# Altium PCB STM32F429IGT6.PcbDoc (part 6 of 6)
Units mil, origin at the board's own origin, x right, y up, seen from the top; angles counter-clockwise.
Board outline 3765 x 2155 mil, 2 copper layers (Top Layer, Bottom Layer); 135 components, 194 nets, 727 pads, 429 vias.
Unrouted connection lines stored in the file: 1.
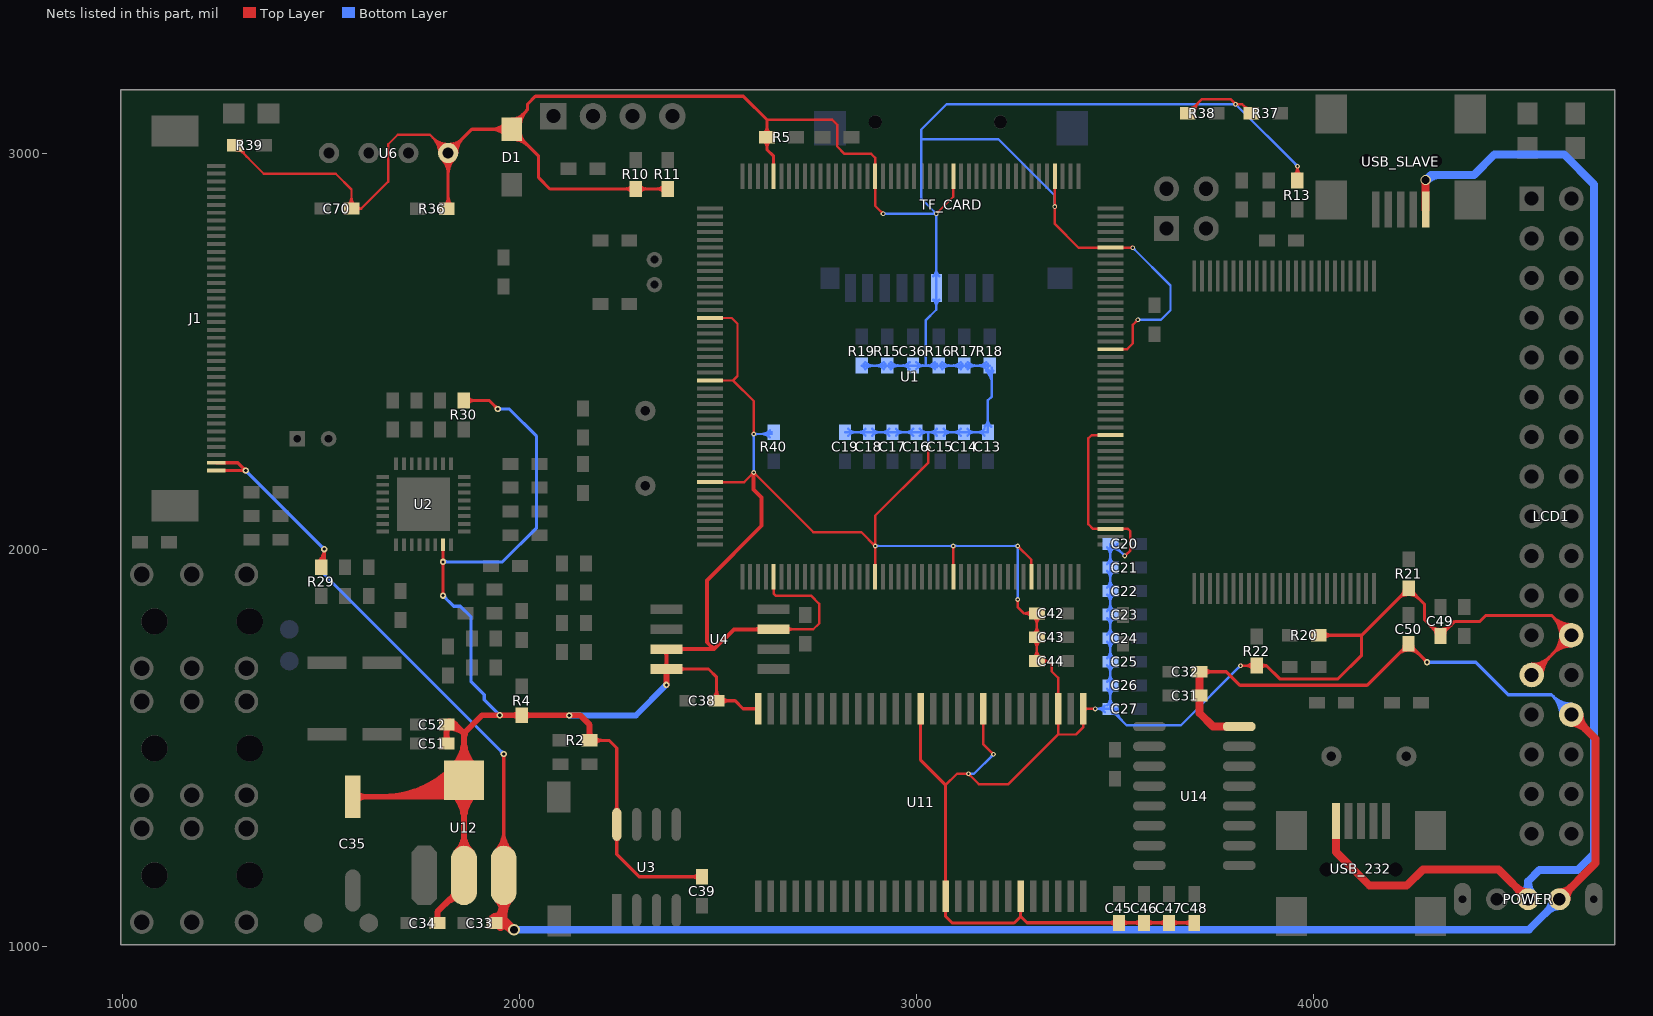
[diagram p6: the nets of this part, all layers, seen from the top]

## Via types
v1: diameter 12, hole 6, Top Layer to Bottom Layer, 405 vias
v2: diameter 16, hole 8, Top Layer to Bottom Layer, 10 vias
v3: diameter 27.56, hole 15.75, Top Layer to Bottom Layer, 9 vias
v4: diameter 16, hole 10, Top Layer to Bottom Layer, 2 vias
v5: diameter 14, hole 8, Top Layer to Bottom Layer, 1 vias
v6: diameter 30, hole 20, Top Layer to Bottom Layer, 1 vias
v7: diameter 26, hole 20, Top Layer to Bottom Layer, 1 vias

## Nets (pads, with @x,y where several pads share a name; then routed paths per layer and width w, separated by ;. In a path a pad name is that pad's centre, name@x,y a point inside that pad or via, vN(x,y) a via of type N, cw(c..) or ccw(c..) an arc to the next point about the centre after c; other vN are vias at no path point) (continued)
VCC3.3: C13.2 C14.2 C15.2 C16.2 C17.2 C18.2 C19.2 C20.2 C21.2 C22.2 C23.2 C24.2 C25.2 C26.2 C27.2 C34.2 C35.1 C36.1 C38.1 C39.1 C42.2 C43.2 C44.2 C45.2 C46.2 C47.2 C48.2 C49.1 C51.1 C52.1 C70.2 D1.1 LCD1.24 LCD1.25 R2.1 R4.2 R5.2 R10.2 R11.2 R13.2 R15.2 R16.2 R17.2 R18.2 R19.2 R20.2 R21.2 R22.1 R30.1 R36.1 R37.2 R38.2 R39.2 R40.2 TF_CARD.4 U1.15 U1.23 U1.36 U1.49 U1.62 U1.72 U1.82 U1.91 U1.103 U1.114 U1.127 U1.136 U1.149 U1.159 U1.172 U2.31 U3.8 U4.3 U4.7 U4.8 U6.1 U11.1 U11.3 U11.9 U11.14 U11.27 U11.43 U11.49 U12.2 U12.4 | length 27416.9
  Top Layer w6: R39.2@1283.5,3020 1355.5,2948 1537,2948 1576.5,2908.5 C70.2@1576.5,2860 1601,2860 ; R39.2@1287.75,3007.25 cw(c1287.75,2986.74) 1302.26,3001.24 ; R39.2@1294.5,3020 ccw(c1321.06,3020) 1302.28,3001.22 ; R39.2@1300.5,3020 ccw(c1341.54,3020) 1312.52,2990.98 ; C70.2@1568.01,2868.49 ccw(c1547.53,2888.97) 1576.5,2888.97 ccw(c1605.47,2888.97) C70.2@1584.99,2868.49 ; C70.2@1592.21,2854.59 cw(c1601,2850.16) 1601,2860 ; C70.2@1592.21,2865.41 ccw(c1601,2869.84) 1601,2860 ; U6.1@1797.41,3000 ccw(c1742.87,3000) 1781.44,3038.56 ccw(c1820,3077.13) U6.1@1820,3022.59 ; U6.1@1803.41,3000 ccw(c1763.36,3000) 1791.68,3028.32 ccw(c1820,3056.64) U6.1@1820,3016.59 ; U6.1@1820,3000 1774,3046 1693,3046 1669,3022 1669,2928 1601,2860 ; U1.36@2480,2171.02 2566.02,2171.02 v1(2590,2195) 2740,2045 2860.96,2045 v1(2895.96,2010) ; U1.23@2480,2426.93 2537.93,2426.93 ; U1.15@2480,2584.41 2534.59,2584.41 2549,2570 2549,2438 2537.93,2426.93 ; v1@2587,2195 cw(c2579.76,2195) 2584.88,2189.88 cw(c2590,2184.76) 2590,2192 cw(c2590,2184.76) 2595.12,2189.88 cw(c2600.24,2195) v1@2593,2195 ; v1@2587.88,2294.12 ccw(c2582.76,2299.24) 2590,2299.24 ccw(c2597.24,2299.24) v1@2592.12,2294.12 ; v1(2590,2292) 2590,2374.86 2537.93,2426.93 ; 2623.5,3083.5 2788.5,3083.5 2800,3072 2800,3017 2819,2998 2886,2998 2895.96,2988.04 U1.159@2895.96,2941.32 2895.96,2867.04 v1(2915.92,2847.08) ; U4.3@2640,1800.06 2740.06,1800.06 2755,1815 2755,1864 2734,1885 2645,1885 2640.06,1889.94 U1.49@2640.06,1932.22 ; U4.3@2674.36,1793.7 cw(c2689.73,1778.34) 2689.73,1800.06 cw(c2689.73,1821.79) U4.3@2674.36,1806.43 ; v1@2892.96,2010 ccw(c2885.72,2010) 2890.84,2015.12 ccw(c2895.96,2020.24) v1@2895.96,2013 ; v1@2893.84,2007.88 cw(c2888.72,2002.76) 2895.96,2002.76 cw(c2903.21,2002.76) v1@2898.09,2007.88 ; v1@2893.84,2012.12 ccw(c2888.72,2017.24) 2895.96,2017.24 ccw(c2903.21,2017.24) v1@2898.09,2012.12 ; U1.62@2895.96,1932.22 v1(2895.96,2010) ; v1@2912.92,2847.08 ccw(c2905.68,2847.08) 2910.8,2852.2 ccw(c2915.92,2857.32) v1@2915.92,2850.08 ; v1@3027.88,2255.88 cw(c3022.76,2250.76) 3030,2250.76 cw(c3037.24,2250.76) v1@3032.12,2255.88 ; v1(3030,2258) 3030,2220 2895.96,2085.96 v1(2895.96,2010) ; v1(3050.08,2847.08) 3092.82,2889.82 U1.149@3092.82,2941.32 ; v1@3050.08,2850.08 ccw(c3050.08,2857.32) 3055.2,2852.2 ccw(c3060.32,2847.08) v1@3053.08,2847.08 ; 3073.54,1407.46 3102.08,1436 v1(3131,1436) 3157,1410 3232,1410 3357.01,1535.01 ; v1@3090.69,2007.69 cw(c3085.57,2002.57) 3092.82,2002.57 cw(c3100.06,2002.57) v1@3094.94,2007.69 ; U1.72@3092.82,1932.22 v1(3092.82,2009.82) ; v1@3128.88,1433.88 ccw(c3123.76,1428.76) 3123.76,1436 ccw(c3123.76,1443.24) v1@3128.88,1438.12 ; v1@3131,1433 cw(c3131,1425.76) 3136.12,1430.88 cw(c3141.24,1436) v1@3134,1436 ; U11.9@3164.59,1565.06 cw(c3156.27,1556.74) 3168.03,1556.74 cw(c3179.8,1556.74) U11.9@3171.48,1565.06 ; U11.9@3168.03,1600 3168.03,1510.97 v1(3194,1485) ; v1@3191,1485 ccw(c3183.76,1485) 3188.88,1490.12 ccw(c3194,1495.24) v1@3194,1488 ; v1@3252.88,1872.88 cw(c3247.76,1867.76) 3255,1867.76 cw(c3262.24,1867.76) v1@3257.12,1872.88 ; v1(3255,1875) 3255,1856 3271,1840 ; v1@3255,2007 cw(c3255,1999.76) 3260.12,2004.88 cw(c3265.24,2010) v1@3258,2010 ; v1(3255,2010) 3289.67,1975.33 U1.82@3289.67,1932.22 ; C42.2@3289.7,1831.84 ccw(c3271,1814.49) 3271,1840 ; C42.2@3289.7,1848.16 cw(c3271,1865.51) 3271,1840 ; C44.2@3295.01,1728.49 ccw(c3274.53,1748.97) 3303.5,1748.97 ccw(c3332.47,1748.97) C44.2@3311.99,1728.49 ; C43.2@3295.01,1771.51 cw(c3274.53,1751.03) 3303.5,1751.03 cw(c3332.47,1751.03) C43.2@3311.99,1771.51 ; C43.2@3295.01,1788.49 ccw(c3274.53,1808.97) 3303.5,1808.97 ccw(c3332.47,1808.97) C43.2@3311.99,1788.49 ; C42.2@3295.01,1831.51 cw(c3274.53,1811.03) 3303.5,1811.03 cw(c3332.47,1811.03) C42.2@3311.99,1831.51 ; C44.2@3318.22,1712.96 cw(c3332,1702.99) 3332,1720 ; C44.2@3318.22,1727.04 ccw(c3332,1737.01) 3332,1720 ; v1@3346.6,2862.88 cw(c3341.48,2857.76) 3348.72,2857.76 cw(c3355.96,2857.76) v1@3350.84,2862.88 ; v1@3346.6,2867.12 ccw(c3341.48,2872.24) 3348.72,2872.24 ccw(c3355.96,2872.24) v1@3350.84,2867.12 ; U1.136@3348.72,2941.32 v1(3348.72,2865) 3348.72,2821.28 3408.43,2761.57 U1.127@3489.09,2761.57 v1(3545,2761.57) ; U11.3@3353.56,1565.06 cw(c3345.24,1556.74) 3357.01,1556.74 cw(c3368.77,1556.74) U11.3@3360.45,1565.06 ; U11.3@3353.56,1634.94 ccw(c3345.24,1643.26) 3357.01,1643.26 ccw(c3368.77,1643.26) U11.3@3360.45,1634.94 ; U11.1@3416.55,1565.06 cw(c3408.23,1556.74) 3420,1556.74 cw(c3431.77,1556.74) U11.1@3423.45,1565.06 ; U11.1@3420,1600 3420,1553 3402.01,1535.01 3357.01,1535.01 ; U11.1@3420.5,1599.5 v1(3450.5,1599.5) ; U11.1@3423.45,1596.55 cw(c3430.56,1589.44) 3430.56,1599.5 ; U11.1@3423.45,1603.45 ccw(c3432.97,1612.97) 3432.97,1599.5 ; v1@3448.38,1597.38 ccw(c3443.26,1592.26) 3443.26,1599.5 ccw(c3443.26,1606.74) v1@3448.38,1601.62 ; U1.103@3489.09,2289.13 3441.13,2289.13 3433,2281 3433,2065 3445.09,2052.91 U1.91@3489.09,2052.91 3533.09,2052.91 3539,2047 3539,1999 v1(3525,1985) ; U1.114@3489.09,2505.67 3530.67,2505.67 3545,2520 3545,2567 v1(3558,2580) ; v1@3525,1988 ccw(c3525,1995.24) 3530.12,1990.12 ccw(c3535.24,1985) v1@3528,1985 ; v1@3542.88,2759.45 ccw(c3537.76,2754.33) 3537.76,2761.57 ccw(c3537.76,2768.82) v1@3542.88,2763.7 ; v1@3555,2580 cw(c3547.76,2580) 3552.88,2574.88 cw(c3558,2569.76) v1@3558,2577 ; R38.2@3683.5,3100 3719.5,3136 3791,3136 v1(3804,3123) 3820.5,3123 R37.2@3843.5,3100 ; R38.2@3687.75,3112.75 ccw(c3687.75,3133.26) 3702.26,3118.76 ; R38.2@3694.5,3100 cw(c3721.06,3100) 3702.28,3118.78 ; R38.2@3700.5,3100 cw(c3741.54,3100) 3712.52,3129.02 ; v1@3801,3123 ccw(c3793.76,3123) 3798.88,3128.12 ccw(c3804,3133.24) v1@3804,3126 ; v1@3806.12,3120.88 cw(c3811.24,3115.76) 3811.24,3123 cw(c3811.24,3130.24) v1@3806.12,3125.12 ; v1(3816.5,1708.5) R22.1@3857,1708.5 ; v1@3818.62,1706.38 cw(c3823.74,1701.26) 3823.74,1708.5 cw(c3823.74,1715.74) v1@3818.62,1710.62 ; 3824.74,3118.76 ccw(c3839.25,3133.26) R37.2@3839.25,3112.75 ; 3827.13,3116.37 cw(c3813.76,3102.99) R37.2@3832.55,3100.79 ; R22.1@3847.99,1699.49 ccw(c3826.22,1677.72) 3826.22,1708.5 ccw(c3826.22,1739.28) R22.1@3847.99,1717.51 ; R22.1@3852.23,1703.73 ccw(c3840.71,1692.21) 3840.71,1708.5 ccw(c3840.71,1724.79) R22.1@3852.23,1713.27 ; R13.2@3950.99,2943.77 ccw(c3929.22,2965.53) 3960,2965.53 ccw(c3990.78,2965.53) R13.2@3969.01,2943.77 ; R13.2@3955.23,2939.52 ccw(c3943.71,2951.04) 3960,2951.04 ccw(c3976.29,2951.04) R13.2@3964.77,2939.52 ; v1@3957.88,2964.88 cw(c3952.76,2959.76) 3960,2959.76 cw(c3967.24,2959.76) v1@3962.12,2964.88 ; R13.2@3960,2930.5 v1(3960,2967) ; 3271,1840 C42.2@3303.5,1840 C44.2@3303.5,1720 3332,1720 ; 3332,1720 3341,1711 3341,1694 3357.01,1677.99 U11.3@3357.01,1600 3357.01,1535.01
  Top Layer w8: v2@1804.38,1887.83 ccw(c1797.56,1894.66) 1807.21,1894.66 ccw(c1816.87,1894.66) v2@1810.04,1887.83 ; v2@1804.38,1967.17 cw(c1797.56,1960.34) 1807.21,1960.34 cw(c1816.87,1960.34) v2@1810.04,1967.17 ; v2@1804.38,1972.83 ccw(c1797.56,1979.66) 1807.21,1979.66 ccw(c1816.87,1979.66) v2@1810.04,1972.83 ; U6.1@1804.73,2984.73 cw(c1767.88,2947.88) 1820,2947.88 cw(c1872.12,2947.88) U6.1@1835.27,2984.73 ; v2(1807.21,1885) v2(1807.21,1970) U2.31@1807.21,2012.59 ; U6.1@1810.39,2990.39 cw(c1787.19,2967.19) 1820,2967.19 cw(c1852.81,2967.19) U6.1@1829.61,2990.39 ; R36.1@1812.44,2868.31 ccw(c1794.21,2886.55) 1820,2886.55 ; R36.1@1816.5,2860 1820,2863.5 U6.1@1820,3000 1880,3060 D1.1@1980,3060 ; 1820,2890.18 ccw(c1850.93,2890.18) R36.1@1829.06,2868.31 ; U6.1@1820,3013.59 ccw(c1820,3046.4) 1843.2,3023.2 ccw(c1866.4,3000) U6.1@1833.59,3000 ; U6.1@1820,3021.59 ccw(c1820,3073.71) 1856.86,3036.86 ccw(c1893.71,3000) U6.1@1841.59,3000 ; R30.1@1860,2376.5 1923.5,2376.5 v2(1945,2355) ; R30.1@1868.31,2368.19 cw(c1888.36,2348.14) 1888.36,2376.5 cw(c1888.36,2404.86) R30.1@1868.31,2384.81 ; v2@1941,2355 ccw(c1931.34,2355) 1938.17,2361.83 ccw(c1945,2368.66) v2@1945,2359 ; D1.1@1964.73,3044.73 ccw(c1927.88,3007.88) 1927.88,3060 ccw(c1927.88,3112.12) D1.1@1964.73,3075.27 ; D1.1@1970.39,3050.39 ccw(c1947.19,3027.19) 1947.19,3060 ccw(c1947.19,3092.81) D1.1@1970.39,3069.61 ; D1.1@1980,3034.47 cw(c1980,2972.84) 2023.58,3016.42 ; D1.1@1980,3042.47 cw(c1980,3000.16) 2009.92,3030.08 ; D1.1@1980,3085.53 ccw(c1980,3125.26) 2008.09,3097.16 ; D1.1@1993.59,3056.06 ccw(c2016.9,3056.06) D1.1@2000.42,3039.58 ; D1.1@1993.59,3064.05 cw(c2037.66,3064.41) 2006.5,3095.57 ; D1.1@2001.59,3056.06 ccw(c2044.21,3056.06) 2014.07,3025.93 ; D1.1@2001.59,3064.11 cw(c2064.44,3064.62) 2020,3109.07 ; v2(2125,1583) v2@2125,1583.5 ; R2.1@2176.5,1520 2226,1520 2245,1501 U3.8@2245,1308.27 2245,1233 2301.5,1176.5 C39.1@2460,1176.5 ; R2.1@2189.06,1511.69 cw(c2209.11,1491.64) 2209.11,1520 cw(c2209.11,1548.36) R2.1@2189.06,1528.31 ; U3.8@2239.48,1273.22 cw(c2226.14,1259.88) 2245,1259.88 cw(c2263.86,1259.88) U3.8@2250.52,1273.22 ; U3.8@2239.48,1343.32 ccw(c2226.14,1356.65) 2245,1356.65 ccw(c2263.86,1356.65) U3.8@2250.52,1343.32 ; R10.2@2284.69,2901.19 ccw(c2264.64,2881.14) 2264.64,2909.5 ccw(c2264.64,2937.86) R10.2@2284.69,2917.81 ; R10.2@2301.31,2901.19 cw(c2321.36,2881.14) 2321.36,2909.5 cw(c2321.36,2937.86) R10.2@2301.31,2917.81 ; R11.2@2364.69,2901.19 ccw(c2344.64,2881.14) 2344.64,2909.5 ccw(c2344.64,2937.86) R11.2@2364.69,2917.81 ; U4.8@2370,1700 2476,1700 2496.5,1679.5 C38.1@2496.5,1620 2543,1620 2563,1600 U11.27@2601.1,1600 ; R11.2@2373,2909.5 R10.2@2293,2909.5 2076.5,2909.5 2048,2938 2048,2992 D1.1@1980,3060 ; U4.8@2403.66,1694.34 cw(c2417.31,1680.69) 2417.31,1700 cw(c2417.31,1719.31) U4.8@2403.66,1705.66 ; C39.1@2452.22,1168.72 ccw(c2433.44,1149.94) 2433.44,1176.5 ccw(c2433.44,1203.06) C39.1@2452.22,1184.28 ; C38.1@2488.72,1627.78 ccw(c2469.94,1646.56) 2496.5,1646.56 ccw(c2523.06,1646.56) C38.1@2504.28,1627.78 ; C38.1@2509.28,1612.22 cw(c2528.06,1593.44) 2528.06,1620 cw(c2528.06,1646.56) C38.1@2509.28,1627.78 ; U11.27@2598.36,1597.26 ccw(c2591.75,1590.65) 2591.75,1600 ccw(c2591.75,1609.35) U11.27@2598.36,1602.74 ; R5.2@2615.19,3031.69 cw(c2595.14,3011.64) 2623.5,3011.64 cw(c2651.86,3011.64) R5.2@2631.81,3031.69 ; R5.2@2615.19,3048.31 ccw(c2595.14,3068.36) 2623.5,3068.36 ccw(c2651.86,3068.36) R5.2@2631.81,3048.31 ; U1.172@2640.06,2941.32 2640.06,2991.94 2623.5,3008.5 R5.2@2623.5,3040 2623.5,3083.5 2564,3143 2040,3143 2020,3123 2020,3109.07 ; U11.14@3007.81,1565.76 cw(c3001.2,1559.15) 3010.55,1559.15 cw(c3019.9,1559.15) U11.14@3013.29,1565.76 ; U11.14@3010.55,1600 3010.55,1470.45 3073.54,1407.46 U11.43@3073.54,1127.56 3073.54,1076.46 3090,1060 3246.04,1060 3262.52,1076.48 ; U11.43@3070.8,1093.32 cw(c3064.19,1086.71) 3073.54,1086.71 cw(c3082.89,1086.71) U11.43@3076.28,1093.32 ; U11.43@3070.8,1161.8 ccw(c3064.19,1168.41) 3073.54,1168.41 ccw(c3082.89,1168.41) U11.43@3076.28,1161.8 ; U11.49@3259.78,1093.32 cw(c3253.17,1086.71) 3262.52,1086.71 cw(c3271.87,1086.71) U11.49@3265.26,1093.32 ; U11.49@3262.52,1127.56 3262.52,1076.48 ; C45.2@3502.22,1052.72 ccw(c3483.44,1033.94) 3483.44,1060.5 ccw(c3483.44,1087.06) C45.2@3502.22,1068.28 ; C45.2@3517.78,1052.72 cw(c3536.56,1033.94) 3536.56,1060.5 cw(c3536.56,1087.06) C45.2@3517.78,1068.28 ; C46.2@3565.56,1052.72 ccw(c3546.78,1033.94) 3546.78,1060.5 ccw(c3546.78,1087.06) C46.2@3565.56,1068.28 ; C46.2@3581.11,1052.72 cw(c3599.89,1033.94) 3599.89,1060.5 cw(c3599.89,1087.06) C46.2@3581.11,1068.28 ; C47.2@3628.89,1052.72 ccw(c3610.11,1033.94) 3610.11,1060.5 ccw(c3610.11,1087.06) C47.2@3628.89,1068.28 ; C47.2@3644.44,1052.72 cw(c3663.22,1033.94) 3663.22,1060.5 cw(c3663.22,1087.06) C47.2@3644.44,1068.28 ; C48.2@3692.22,1052.72 ccw(c3673.44,1033.94) 3673.44,1060.5 ccw(c3673.44,1087.06) C48.2@3692.22,1068.28 ; C48.2@3700,1060.5 C47.2@3636.67,1060.5 C46.2@3573.33,1060.5 C45.2@3510,1060.5 3278.5,1060.5 3262.52,1076.48 ; R22.1@3857,1708.5 3882,1708.5 ; R22.1@3866.04,1701 cw(c3882,1687.78) 3882,1708.5 ; R22.1@3866.04,1716 ccw(c3882,1729.22) 3882,1708.5 ; R20.2@4013.5,1785 4121.5,1785 ; R20.2@4026.06,1776.69 cw(c4046.11,1756.64) 4046.11,1785 cw(c4046.11,1813.36) R20.2@4026.06,1793.31 ; 4212.69,1876.19 cw(c4240,1848.87) 4240,1887.5 cw(c4240,1848.87) 4267.31,1876.19 ; 4222.95,1886.45 ccw(c4210.16,1899.25) R21.2@4228.25,1899.25 ; R21.2@4226.34,1889.84 cw(c4240,1876.19) 4240,1895.5 cw(c4240,1876.19) R21.2@4253.66,1889.84 ; R21.2@4251.75,1899.25 ccw(c4269.84,1899.25) 4257.05,1886.45 ; 4292.69,1810.81 ccw(c4320,1838.13) 4320,1799.5 ccw(c4320,1838.13) 4347.31,1810.81 ; 4304.76,1798.74 cw(c4294.51,1788.5) C49.1@4309,1788.5 ; C49.1@4306.34,1797.16 ccw(c4320,1810.81) 4320,1791.5 ccw(c4320,1810.81) C49.1@4333.66,1797.16 ; C49.1@4331,1788.5 cw(c4345.49,1788.5) 4335.24,1798.74 ; LCD1.25@4550,1685 LCD1.24@4650,1785 4600,1835 4435,1835 4420,1820 4356.5,1820 C49.1@4320,1783.5 4280,1823.5 4280,1863.5 R21.2@4240,1903.5 4121.5,1785 ; LCD1.25@4550,1704 ccw(c4550,1749.87) 4582.44,1717.44 ccw(c4614.87,1685) LCD1.25@4569,1685 ; LCD1.25@4550,1712 ccw(c4550,1777.18) 4596.09,1731.09 ccw(c4642.18,1685) LCD1.25@4577,1685 ; LCD1.24@4650,1758 ccw(c4650,1692.82) 4603.91,1738.91 ccw(c4557.82,1785) 4623,1785 ccw(c4557.82,1785) 4603.91,1831.09 ccw(c4650,1877.18) LCD1.24@4650,1812 ; LCD1.24@4650,1766 ccw(c4650,1720.13) 4617.56,1752.56 ccw(c4585.13,1785) 4631,1785 ccw(c4585.13,1785) 4617.56,1817.44 ccw(c4650,1849.87) LCD1.24@4650,1804 ; D1.1@1980,3060 1980,3069.07 2020,3109.07 ; 3882,1708.5 3915.5,1675 4062,1675 4121.5,1734.5 4121.5,1785
  Top Layer w10: U4.8@2365.05,1704.95 ccw(c2353.1,1716.9) 2370,1716.9 ccw(c2386.9,1716.9) U4.8@2374.95,1704.95 ; U4.7@2365.05,1745.05 cw(c2353.1,1733.1) 2370,1733.1 cw(c2386.9,1733.1) U4.7@2374.95,1745.05 ; U4.8@2370,1700 U4.7@2370,1750 2490,1750 ; U4.7@2402.95,1745.05 cw(c2414.9,1733.1) 2414.9,1750 cw(c2414.9,1766.9) U4.7@2402.95,1754.95 ; v1(2590,2195) 2590,2152 2610,2132 2610,2061 2472,1923 2472,1768 2490,1750 ; U4.3@2607.05,1795.11 ccw(c2595.1,1783.16) 2595.1,1800.06 ccw(c2595.1,1816.96) U4.3@2607.05,1805.01 ; U4.3@2640,1800.06 2540.06,1800.06 2490,1750
  Top Layer w15: C35.1@1580,1378.11 1818.2,1378.11 U12.4@1860.03,1419.94 ; C35.1@1588.62,1369.49 cw(c1609.42,1348.69) 1609.42,1378.11 cw(c1609.42,1407.53) C35.1@1588.62,1386.73 ; 1656.45,1378.11 ccw(c1656.45,1623.52) 1829.98,1449.99 ccw(c1757.43,1522.54) 1860.03,1522.54 ccw(c1962.64,1522.54) U12.4@1890.08,1449.99 ; 1692.66,1378.11 ccw(c1692.66,1587.31) 1840.59,1439.38 ccw(c1793.64,1486.33) 1860.03,1486.33 ccw(c1926.42,1486.33) U12.4@1879.48,1439.38 ; 1728.88,1378.11 ccw(c1728.88,1551.09) U12.4@1851.19,1428.78 ; 1765.09,1378.11 ccw(c1765.09,1514.88) U12.4@1861.8,1418.17 ; C34.2@1787.7,1065.3 ccw(c1774.89,1078.11) 1793,1078.11 ccw(c1811.11,1078.11) C34.2@1798.3,1065.3 ; C34.2@1793,1060 1793,1088 1860.03,1155.03 U12.4@1860.03,1419.94 ; 1801.3,1378.11 ccw(c1801.3,1478.67) U12.4@1872.41,1407.56 ; C51.1@1811.2,1517.3 ccw(c1798.39,1530.11) 1816.5,1530.11 ccw(c1834.61,1530.11) C51.1@1821.8,1517.3 ; C52.1@1811.2,1554.7 cw(c1798.39,1541.89) 1816.5,1541.89 cw(c1834.61,1541.89) C52.1@1821.8,1554.7 ; 1812.92,1107.92 cw(c1860.03,1060.81) U12.2@1860.03,1127.44 ; C51.1@1816.5,1512 C52.1@1816.5,1560 1838.06,1560 ; C52.1@1821.5,1552.5 cw(c1821.5,1494.41) 1862.58,1535.48 ; C52.1@1821.5,1567.5 cw(c1821.5,1545.62) 1836.97,1561.09 ; C52.1@1825.66,1553.76 cw(c1834.76,1540.13) 1846.34,1551.72 ; C52.1@1827.14,1555.05 cw(c1838.06,1545.46) 1838.06,1560 ; C52.1@1827.14,1564.95 ccw(c1838.06,1574.54) 1838.06,1560 ; 1829.8,1124.8 ccw(c1817.16,1137.44) U12.2@1835.03,1137.44 ; U12.4@1829.98,1389.88 cw(c1757.43,1317.33) 1860.03,1317.33 cw(c1962.64,1317.33) U12.4@1890.08,1389.88 ; U12.4@1840.59,1400.49 cw(c1793.64,1353.55) 1860.03,1353.55 cw(c1926.42,1353.55) U12.4@1879.48,1400.49 ; U12.2@1842.35,1240.11 ccw(c1799.68,1282.79) 1860.03,1282.79 ccw(c1920.39,1282.79) U12.2@1877.71,1240.11 ; R4.2@1999.17,1577.67 ccw(c1985.09,1563.59) 1985.09,1583.5 ccw(c1985.09,1603.41) R4.2@1999.17,1589.33 ; R4.2@2010.83,1577.67 cw(c2024.91,1563.59) 2024.91,1583.5 cw(c2024.91,1603.41) R4.2@2010.83,1589.33 ; R2.1@2170.67,1525.83 ccw(c2156.59,1539.91) 2176.5,1539.91 ccw(c2196.41,1539.91) R2.1@2182.33,1525.83 ; R2.1@2176.5,1520 2176.5,1559.5 2152.5,1583.5 2125,1583.5 R4.2@2005,1583.5 1905.5,1583.5 1860.03,1538.03 ; v2(2370,1660) U4.8@2370,1700 ; 1838.06,1560 1860.03,1538.03 ; U12.4@1860.03,1419.94 1860.03,1538.03
  Bottom Layer w6: v1@2587.88,2197.12 ccw(c2582.76,2202.24) 2590,2202.24 ccw(c2597.24,2202.24) v1@2592.12,2197.12 ; v1@2587.88,2289.88 cw(c2582.76,2284.76) 2590,2284.76 cw(c2597.24,2284.76) 2592.12,2289.88 cw(c2597.24,2284.76) 2597.24,2292 cw(c2597.24,2299.24) v1@2592.12,2294.12 ; v1(2590,2195) v1(2590,2292) R40.2@2635.5,2292 ; 2608.62,2292 ccw(c2608.62,2323.62) R40.2@2630.99,2301.26 ; 2609.82,2292 cw(c2609.82,2262.07) R40.2@2630.99,2283.23 ; 2623.11,2292 ccw(c2623.11,2309.14) R40.2@2635.23,2297.02 ; C19.2@2820,2296.5 C18.2@2880,2296.5 C17.2@2940,2296.5 C16.2@3000,2296.5 3030,2296.5 ; C19.2@2828.49,2288.01 cw(c2848.97,2267.53) 2848.97,2296.5 cw(c2848.97,2325.47) C19.2@2828.49,2304.99 ; R19.2@2862,2464.5 R15.2@2926.6,2464.5 C36.1@2991.2,2464.5 R16.2@3055.8,2464.5 R17.2@3120.4,2464.5 R18.2@3185,2464.5 ; R19.2@2866.77,2459.73 cw(c2878.29,2448.21) 2878.29,2464.5 cw(c2878.29,2480.79) R19.2@2866.77,2469.27 ; R19.2@2871.01,2455.49 cw(c2892.78,2433.72) 2892.78,2464.5 cw(c2892.78,2495.28) R19.2@2871.01,2473.51 ; C18.2@2871.51,2288.01 ccw(c2851.03,2267.53) 2851.03,2296.5 ccw(c2851.03,2325.47) C18.2@2871.51,2304.99 ; C18.2@2888.49,2288.01 cw(c2908.97,2267.53) 2908.97,2296.5 cw(c2908.97,2325.47) C18.2@2888.49,2304.99 ; v1(2895.96,2010) v1(3255,2010) v1(3255,1875) ; v1@2898.09,2007.88 cw(c2903.21,2002.76) 2903.21,2010 cw(c2903.21,2017.24) v1@2898.09,2012.12 ; v1(2915.92,2847.08) v1(3050.08,2847.08) ; R15.2@2917.59,2455.49 ccw(c2895.82,2433.72) 2895.82,2464.5 ccw(c2895.82,2495.28) R15.2@2917.59,2473.51 ; v1@2918.04,2844.96 cw(c2923.16,2839.84) 2923.16,2847.08 cw(c2923.16,2854.32) v1@2918.04,2849.2 ; R15.2@2921.83,2459.73 ccw(c2910.31,2448.21) 2910.31,2464.5 ccw(c2910.31,2480.79) R15.2@2921.83,2469.27 ; R15.2@2931.37,2459.73 cw(c2942.89,2448.21) 2942.89,2464.5 cw(c2942.89,2480.79) R15.2@2931.37,2469.27 ; C17.2@2931.51,2288.01 ccw(c2911.03,2267.53) 2911.03,2296.5 ccw(c2911.03,2325.47) C17.2@2931.51,2304.99 ; R15.2@2935.61,2455.49 cw(c2957.38,2433.72) 2957.38,2464.5 cw(c2957.38,2495.28) R15.2@2935.61,2473.51 ; C17.2@2948.49,2288.01 cw(c2968.97,2267.53) 2968.97,2296.5 cw(c2968.97,2325.47) C17.2@2948.49,2304.99 ; C36.1@2982.71,2456.01 ccw(c2962.23,2435.53) 2962.23,2464.5 ccw(c2962.23,2493.47) C36.1@2982.71,2472.99 ; C16.2@2991.51,2288.01 ccw(c2971.03,2267.53) 2971.03,2296.5 ccw(c2971.03,2325.47) C16.2@2991.51,2304.99 ; C36.1@2999.69,2456.01 cw(c3020.17,2435.53) 3020.17,2464.5 cw(c3020.17,2493.47) C36.1@2999.69,2472.99 ; C16.2@3008.49,2288.01 cw(c3028.97,2267.53) 3028.97,2296.5 cw(c3028.97,2325.47) C16.2@3008.49,2304.99 ; 3023,2465.5 3023,2578 3050.08,2605.08 TF_CARD.4@3050.08,2660 v1(3050.08,2847.08) ; v1@3027.88,2260.12 ccw(c3022.76,2265.24) 3030,2265.24 ccw(c3037.24,2265.24) v1@3032.12,2260.12 ; v1(3030,2258) 3030,2296.5 ; TF_CARD.4@3042.46,2630.72 cw(c3024.05,2612.32) 3050.08,2612.32 cw(c3076.1,2612.32) TF_CARD.4@3057.7,2630.72 ; TF_CARD.4@3042.46,2689.28 ccw(c3024.05,2707.68) 3050.08,2707.68 ccw(c3076.1,2707.68) TF_CARD.4@3057.7,2689.28 ; R16.2@3046.79,2455.49 ccw(c3025.02,2433.72) 3025.02,2464.5 ccw(c3025.02,2495.28) R16.2@3046.79,2473.51 ; v1@3047.08,2847.08 ccw(c3039.84,2847.08) 3044.96,2852.2 ccw(c3050.08,2857.32) v1@3050.08,2850.08 ; v1@3047.96,2849.2 cw(c3042.84,2854.32) 3042.84,2847.08 cw(c3042.84,2839.84) 3047.96,2844.96 cw(c3042.84,2839.84) 3050.08,2839.84 cw(c3057.32,2839.84) v1@3052.2,2844.96 ; R16.2@3051.03,2459.73 ccw(c3039.51,2448.21) 3039.51,2464.5 ccw(c3039.51,2480.79) R16.2@3051.03,2469.27 ; C15.2@3051.51,2288.01 ccw(c3031.03,2267.53) 3031.03,2296.5 ccw(c3031.03,2325.47) C15.2@3051.51,2304.99 ; R16.2@3060.57,2459.73 cw(c3072.09,2448.21) 3072.09,2464.5 cw(c3072.09,2480.79) R16.2@3060.57,2469.27 ; R16.2@3064.81,2455.49 cw(c3086.58,2433.72) 3086.58,2464.5 cw(c3086.58,2495.28) R16.2@3064.81,2473.51 ; C15.2@3068.49,2288.01 cw(c3088.97,2267.53) 3088.97,2296.5 cw(c3088.97,2325.47) C15.2@3068.49,2304.99 ; 3085.13,2010 cw(c3085.13,2002.13) v1@3090.69,2007.69 ; 3086.02,2010 ccw(c3086.02,2016.61) v1@3090.69,2011.94 ; v1@3094.94,2007.69 cw(c3100.5,2002.13) 3100.5,2010 ; v1@3094.94,2011.94 ccw(c3099.61,2016.61) 3099.61,2010 ; R17.2@3111.39,2455.49 ccw(c3089.62,2433.72) 3089.62,2464.5 ccw(c3089.62,2495.28) R17.2@3111.39,2473.51 ; C14.2@3111.51,2288.01 ccw(c3091.03,2267.53) 3091.03,2296.5 ccw(c3091.03,2325.47) C14.2@3111.51,2304.99 ; R17.2@3115.63,2459.73 ccw(c3104.11,2448.21) 3104.11,2464.5 ccw(c3104.11,2480.79) R17.2@3115.63,2469.27 ; R17.2@3125.17,2459.73 cw(c3136.69,2448.21) 3136.69,2464.5 cw(c3136.69,2480.79) R17.2@3125.17,2469.27 ; C14.2@3128.49,2288.01 cw(c3148.97,2267.53) 3148.97,2296.5 cw(c3148.97,2325.47) C14.2@3128.49,2304.99 ; R17.2@3129.41,2455.49 cw(c3151.18,2433.72) 3151.18,2464.5 cw(c3151.18,2495.28) R17.2@3129.41,2473.51 ; v1(3131,1436) 3145,1436 v1(3194,1485) ; v1@3133.12,1433.88 cw(c3138.24,1428.76) 3138.24,1436 cw(c3138.24,1443.24) v1@3133.12,1438.12 ; C13.2@3171.51,2288.01 ccw(c3151.03,2267.53) 3151.03,2296.5 ccw(c3151.03,2325.47) C13.2@3171.51,2304.99 ; C13.2@3171.51,2309.99 ccw(c3151.03,2330.47) 3180,2330.47 ccw(c3208.97,2330.47) C13.2@3188.49,2309.99 ; R18.2@3175.99,2451.23 cw(c3142.15,2417.4) 3190,2417.4 ; R18.2@3175.99,2455.49 ccw(c3154.22,2433.72) 3154.22,2464.5 ccw(c3154.22,2495.28) R18.2@3175.99,2473.51 ; R18.2@3180.23,2455.48 cw(c3156.64,2431.89) 3190,2431.89 ; R18.2@3180.23,2459.73 ccw(c3168.71,2448.21) 3168.71,2464.5 ccw(c3168.71,2480.79) R18.2@3180.23,2469.27 ; 3190,2441.54 cw(c3203.71,2441.54) R18.2@3194.01,2451.23 ; R18.2@3190,2459.5 3190,2387 3180,2377 C13.2@3180,2296.5 C14.2@3120,2296.5 C15.2@3060,2296.5 3030,2296.5 ; v1@3191,1485 cw(c3183.76,1485) 3188.88,1479.88 cw(c3194,1474.76) v1@3194,1482 ; v1@3252.88,1877.12 ccw(c3247.76,1882.24) 3255,1882.24 ccw(c3262.24,1882.24) v1@3257.12,1877.12 ; v1@3252.88,2012.12 cw(c3247.76,2017.24) 3247.76,2010 cw(c3247.76,2002.76) 3252.88,2007.88 cw(c3247.76,2002.76) 3255,2002.76 cw(c3262.24,2002.76) v1@3257.12,2007.88 ; v1@3346.6,2867.12 ccw(c3341.48,2872.24) 3348.72,2872.24 ccw(c3355.96,2872.24) v1@3350.84,2867.12 ; v1(3348.72,2865) 3348.72,2892.28 3206,3035 3012,3035 ; v1(3450.5,1599.5) C27.2@3488.5,1599.5 ; v1@3452.62,1597.38 cw(c3457.74,1592.26) 3457.74,1599.5 cw(c3457.74,1606.74) v1@3452.62,1601.62 ; C27.2@3475.01,1591.01 ccw(c3454.53,1570.53) 3454.53,1599.5 ccw(c3454.53,1628.47) C27.2@3475.01,1607.99 ; C27.2@3480.01,1607.99 ccw(c3459.53,1628.47) 3488.5,1628.47 ccw(c3517.47,1628.47) C27.2@3496.99,1607.99 ; C26.2@3480.01,1650.37 cw(c3459.53,1629.89) 3488.5,1629.89 cw(c3517.47,1629.89) C26.2@3496.99,1650.37 ; C26.2@3480.01,1667.34 ccw(c3459.53,1687.83) 3488.5,1687.83 ccw(c3517.47,1687.83) C26.2@3496.99,1667.34 ; C25.2@3480.01,1709.73 cw(c3459.53,1689.24) 3488.5,1689.24 cw(c3517.47,1689.24) C25.2@3496.99,1709.73 ; C25.2@3480.01,1726.7 ccw(c3459.53,1747.18) 3488.5,1747.18 ccw(c3517.47,1747.18) C25.2@3496.99,1726.7 ; C24.2@3480.01,1769.09 cw(c3459.53,1748.6) 3488.5,1748.6 cw(c3517.47,1748.6) C24.2@3496.99,1769.09 ; C24.2@3480.01,1786.06 ccw(c3459.53,1806.54) 3488.5,1806.54 ccw(c3517.47,1806.54) C24.2@3496.99,1786.06 ; C23.2@3480.01,1828.44 cw(c3459.53,1807.96) 3488.5,1807.96 cw(c3517.47,1807.96) C23.2@3496.99,1828.44 ; C23.2@3480.01,1845.41 ccw(c3459.53,1865.9) 3488.5,1865.9 ccw(c3517.47,1865.9) C23.2@3496.99,1845.41 ; C22.2@3480.01,1887.8 cw(c3459.53,1867.31) 3488.5,1867.31 cw(c3517.47,1867.31) C22.2@3496.99,1887.8 ; C22.2@3480.01,1904.77 ccw(c3459.53,1925.26) 3488.5,1925.26 ccw(c3517.47,1925.26) C22.2@3496.99,1904.77 ; C21.2@3480.01,1947.16 cw(c3459.53,1926.67) 3488.5,1926.67 cw(c3517.47,1926.67) C21.2@3496.99,1947.16 ; C21.2@3480.01,1964.13 ccw(c3459.53,1984.61) 3488.5,1984.61 ccw(c3517.47,1984.61) C21.2@3496.99,1964.13 ; C20.2@3480.01,2006.51 cw(c3459.53,1986.03) 3488.5,1986.03 cw(c3517.47,1986.03) C20.2@3496.99,2006.51 ; C20.2@3488.5,2015 C21.2@3488.5,1955.64 C22.2@3488.5,1896.29 C23.2@3488.5,1836.93 C24.2@3488.5,1777.57 C25.2@3488.5,1718.21 C26.2@3488.5,1658.86 C27.2@3488.5,1599.5 ; C27.2@3493.5,1587.5 cw(c3493.5,1570.6) 3505.45,1582.55 ; C20.2@3493.5,2003 cw(c3493.5,1970.41) 3516.55,1993.45 ; C20.2@3493.5,2009 cw(c3493.5,1990.89) C20.2@3506.3,2003.7 ; C20.2@3495,2015 v1(3525,1985) ; C27.2@3499.5,1599.5 ccw(c3526.06,1599.5) 3507.28,1580.72 ; C27.2@3505.5,1599.5 ccw(c3546.54,1599.5) 3517.52,1570.48 ; C20.2@3505.5,2015 ccw(c3530.85,2015) 3512.92,1997.08 ; v1@3522,1985 ccw(c3514.76,1985) 3519.88,1990.12 ccw(c3525,1995.24) v1@3525,1988 ; v1@3545,2758.57 cw(c3545,2751.33) 3550.12,2756.45 cw(c3555.24,2761.57) v1@3548,2761.57 ; v1(3545,2761.57) 3640,2666.57 3640,2604 3616,2580 v1(3558,2580) ; v1@3560.12,2577.88 cw(c3565.24,2572.76) 3565.24,2580 cw(c3565.24,2587.24) v1@3560.12,2582.12 ; v1@3801.88,3120.88 ccw(c3796.76,3115.76) 3796.76,3123 ccw(c3796.76,3130.24) v1@3801.88,3125.12 ; v1@3804,3120 cw(c3804,3112.76) 3809.12,3117.88 cw(c3814.24,3123) v1@3807,3123 ; v1@3813.5,1708.5 cw(c3806.26,1708.5) 3811.38,1703.38 cw(c3816.5,1698.26) v1@3816.5,1705.5 ; v1(3816.5,1708.5) 3666,1558 3530,1558 C27.2@3488.5,1599.5 ; v1@3957,2967 ccw(c3949.76,2967) 3954.88,2972.12 ccw(c3960,2977.24) v1@3960,2970 ; v1(3960,2967) v1(3804,3123) 3076,3123 3012,3059 3012,3035 ; 3012,3035 3012,2885.16 v1(3050.08,2847.08)
  Bottom Layer w8: v2@1807.21,1881 cw(c1807.21,1871.34) 1814.04,1878.17 cw(c1820.87,1885) v2@1811.21,1885 ; v2(1807.21,1885) 1834.21,1858 1851,1858 1878,1831 1878,1668 1911,1635 1911,1622.5 v2(1950,1583.5) ; v2(1807.21,1970) 1957,1970 2043,2056 2043,2286 1974,2355 v2(1945,2355) ; v2@1810.04,1967.17 cw(c1816.87,1960.34) 1816.87,1970 cw(c1816.87,1979.66) v2@1810.04,1972.83 ; v2@1946,1583.5 ccw(c1936.34,1583.5) 1943.17,1590.33 ccw(c1950,1597.16) v2@1950,1587.5 ; v2@1947.83,2352.17 cw(c1954.66,2345.34) 1954.66,2355 cw(c1954.66,2364.66) v2@1947.83,2357.83
  Bottom Layer w15: v2(2125,1583) 2293,1583 v2(2370,1660)
VCC5: C31.1 C32.1 C33.2 C50.2 J1.1 J1.2 LCD1.28 POWER.1 R29.2 U12.3 U14.16 | length 7389.3
  Top Layer w8: J1.1@1236,2200 v2(1310,2200) 1290.31,2219.69 J1.2@1236,2219.69 ; v2@1306,2200 ccw(c1296.34,2200) 1303.17,2206.83 ccw(c1310,2213.66) v2@1310,2204 ; v2@1307.17,2197.17 ccw(c1300.34,2190.34) 1300.34,2200 ccw(c1300.34,2209.66) v2@1307.17,2202.83 ; R29.2@1492.63,1969.9 ccw(c1466.8,2002) v2(1508,2002) R29.2@1508,1964.5 ; R29.2@1497.65,1963.67 ccw(c1480.25,1985.29) 1508,1985.29 ; v2@1505.17,1999.17 cw(c1498.34,1992.34) 1508,1992.34 cw(c1517.66,1992.34) v2@1510.83,1999.17 ; U12.3@1939.88,1242.59 ccw(c1891.3,1291.16) 1960,1291.16 ; U12.3@1945.54,1236.93 ccw(c1910.62,1271.85) 1960,1271.85 ; v2@1957.17,1483.17 cw(c1950.34,1476.34) 1960,1476.34 cw(c1969.66,1476.34) v2@1962.83,1483.17 ; U12.3@1960,1179.97 v2(1960,1486) ; 1960,1272 ccw(c2009.6,1272) U12.3@1974.53,1236.93 ; 1960,1291.32 ccw(c2028.91,1291.32) U12.3@1980.18,1242.59 ; C32.1@3713.5,1693 3781,1693 3815,1659 4135.5,1659 C50.2@4240,1763.5 v2(4286.5,1717) ; C32.1@3726.28,1685.22 cw(c3745.06,1666.44) 3745.06,1693 cw(c3745.06,1719.56) C32.1@3726.28,1700.78 ; 4212.69,1736.19 cw(c4240,1708.87) 4240,1747.5 cw(c4240,1708.87) 4267.31,1736.19 ; 4224.76,1748.26 ccw(c4214.51,1758.5) C50.2@4229,1758.5 ; C50.2@4226.34,1749.84 cw(c4240,1736.19) 4240,1755.5 cw(c4240,1736.19) C50.2@4253.66,1749.84 ; C50.2@4251,1758.5 ccw(c4265.49,1758.5) 4255.24,1748.26 ; v2@4282.5,1717 ccw(c4272.84,1717) 4279.67,1723.83 ccw(c4286.5,1730.66) v2@4286.5,1721
  Top Layer w20: C33.2@1931.66,1071.32 cw(c1944.64,1056.4) 1958.62,1070.38 ; C33.2@1936.54,1074.16 cw(c1944.09,1052.59) 1960.25,1068.75 ; C33.2@1937.96,1063.54 ccw(c1884.69,1116.81) U12.3@1960.03,1116.81 ; U12.3@1944.12,1121.53 cw(c1905.71,1083.12) 1960.03,1083.12 cw(c2014.35,1083.12) U12.3@1975.94,1121.53 ; C33.2@1944.78,1056.23 cw(c1958.74,1040.18) 1973.78,1055.22 ; C33.2@1952.11,1049.39 ccw(c1932.97,1068.53) 1960.03,1068.53 ; U12.3@1960.03,1179.94 1960.03,1068.97 1969,1060 ; v6@1982.29,1039.65 ccw(c1936.5,998.32) C33.2@1936.5,1060 1969,1060 ; v6(1986,1043) 1969,1060 ; C32.1@3713.5,1693 C31.1@3713.5,1633 3713.5,1588.5 3747,1555 U14.16@3813.19,1555 ; POWER.1@4620,1120 4711,1211 4711,1524 LCD1.28@4650,1585 ; POWER.1@4620,1137.56 ccw(c4620,1179.95) 4649.98,1149.98 ccw(c4679.95,1120) POWER.1@4637.56,1120 ; LCD1.28@4650,1564 cw(c4650,1513.3) 4685.85,1549.15 cw(c4721.7,1585) LCD1.28@4671,1585
  Bottom Layer w8: v2@1310,2196 cw(c1310,2186.34) 1316.83,2193.17 cw(c1323.66,2200) v2@1314,2200 ; v2(1310,2200) v2(1508,2002) 1508,1938 v2(1960,1486) ; v2@1504,2002 ccw(c1494.34,2002) 1501.17,2008.83 ccw(c1508,2015.66) v2@1508,2006 ; v2@1505.17,1999.17 cw(c1498.34,1992.34) 1508,1992.34 cw(c1517.66,1992.34) v2@1510.83,1999.17 ; v2@1956,1486 ccw(c1946.34,1486) 1953.17,1492.83 ccw(c1960,1499.66) v2@1960,1490 ; v2(4286.5,1717) 4409,1717 4491,1635 4600,1635 LCD1.28@4650,1585 ; v2@4289.33,1714.17 cw(c4296.16,1707.34) 4296.16,1717 cw(c4296.16,1726.66) v2@4289.33,1719.83 ; LCD1.28@4623,1585 ccw(c4557.82,1585) 4603.91,1631.09 ccw(c4650,1677.18) LCD1.28@4650,1612 ; LCD1.28@4631,1585 ccw(c4585.13,1585) 4617.56,1617.44 ccw(c4650,1649.87) LCD1.28@4650,1604
  Bottom Layer w20: v6(1986,1043) 4543,1043 POWER.1@4620,1120 ; POWER.1@4602.44,1120 cw(c4560.05,1120) 4590.02,1090.02 cw(c4620,1060.05) POWER.1@4620,1102.44
VUSB: POWER.2 USB_232.1 USB_SLAVE.1 | length 3302.1
  Top Layer w20: USB_232.1@4057.01,1317.36 4057.01,1238.99 4142,1154 4235,1154 4276,1195 4466.26,1195 POWER.2@4541.26,1120 ; USB_SLAVE.1@4282.99,2857.64 v7(4282.99,2931.99) ; POWER.2@4523.7,1120 ccw(c4481.31,1120) 4511.28,1149.98 ccw(c4541.26,1179.95) POWER.2@4541.26,1137.56
  Bottom Layer w20: v7(4282.99,2931.99) 4296,2945 4405,2945 4456,2996 4632,2996 4707,2921 4707,1234 4667,1194 4570,1194 4541.26,1165.26 POWER.2@4541.26,1120 ; v7@4285.11,2929.87 cw(c4321.64,2893.33) 4321.64,2945 ; POWER.2@4528.84,1132.42 ccw(c4498.87,1162.39) 4541.26,1162.39 ccw(c4583.65,1162.39) POWER.2@4553.68,1132.42
pads on no net: AUX.0 J1.A J1.B LCD1.32 MIC1.0 PHONE.0 POWER.3 POWER.4 POWER.5 TF_CARD.0 TF_CARD.9 U2.15 U2.21 U2.22 U10.1 U10.2 U10.3 U10.4 U10.5 U10.6 U10.10 U10.11 U10.14 U10.15 U10.20 U10.21 U10.22 U10.23 U10.24 U10.25 U10.26 U10.27 U10.28 U10.33 U10.34 U10.35 U10.38 U10.39 U10.40 U10.45 U10.46 U10.47 U10.48 U11.40 U14.9 U14.10 U14.11 U14.12 U14.13 U14.14 U14.15 USB_232.4 USB_232.MH1 USB_232.MH2 USB_SLAVE.4 USB_SLAVE.MH1 USB_SLAVE.MH2
copper on no net:
  other v3: 1710.76,2067.76 1758,2067.76 1805.24,2067.76 1710.76,2115 1758,2115 1805.24,2115 1710.76,2162.24 1758,2162.24 1805.24,2162.24

## Keep-outs
Keep-Out Layer:
  lines w10: 995,1005 4760,1005 ; 995,1005 995,3160 ; 995,1005 995,3160 ; 995,1005 4760,1005 ; 995,3160 4760,3160 ; 995,3160 4760,3160 ; 4760,1005 4760,3160 ; 4760,1005 4760,3160

## Other copper
Top Layer:
  rectangle net GND: 1763,2179 1773,2233
  rectangle net GND: 1640,2040 1705,2051
  rectangle net NetC8_2: 1640,2680 1915,2780
  pour cut-out: 1640,2189 1684,2189 1684,2235 1643,2235
  pour cut-out: 1832,2233 1832,2189 1878,2189 1878,2230
  pour cut-out: 1876,2041 1832,2041 1832,1995 1873,1995
  pour cut-out: 1684,1997 1684,2041 1638,2041 1638,2000
Bottom Layer:
  rectangle net GND: 1678,2035 1885,2230
  rectangle net GND: 4257,1059 4334,1342
  rectangle net PA1: 4144,1985 4490,2355

## Silkscreen, mask and mechanical layers (free items; w line width, h text height)
Top Overlay:
  text "GND CLK RES DIO" at 2025,3005 h30
Top Solder:
  text "未名科技 V3.0" at 1643,2738 h48
  text "2019.06.14" at 1699,2686 h48

## Dimensions
995,3160 to 4760,3160 on Top Overlay
995,1005 to 995,3160 on Top Overlay

## Text inside footprints (layer, text, board x,y; h text height)
J1: Top Overlay "40" at 1301,2942 h24 r90; Top Overlay "1" at 1295,2196 h24 r90
LCD1: Top Overlay "D14" at 4711.42,2017.87 h24 r270; Top Overlay "D7" at 4460,2310 h24 r270; Top Overlay "RS" at 4711.42,2903.7 h24 r270; Top Overlay "CS" at 4460,2905 h24 r270; Top Overlay "WR" at 4460,2805 h24 r270; Top Overlay "RST" at 4460,2720 h24 r270; Top Overlay "D1" at 4460,2600 h24 r270; Top Overlay "D2" at 4711.42,2603.5 h24 r270; Top Overlay "D3" at 4460,2505 h24 r270; Top Overlay "D4" at 4711.42,2505.08 h24 r270; Top Overlay "D5" at 4460,2405 h24 r270; Top Overlay "D6" at 4711.42,2401.73 h24 r270; Top Overlay "D8" at 4711.42,2318.07 h24 r270; Top Overlay "D9" at 4460,2210 h24 r270; Top Overlay "D13" at 4455.51,2017.87 h24 r270; Top Overlay "D12" at 4711.42,2116.3 h24 r270; Top Overlay "D15" at 4460,1915 h24 r270; Top Overlay "VDD" at 4460,1720 h24 r270; Top Overlay "VDD" at 4711.42,1619.25 h24 r270; Top Overlay "GND" at 4711.42,1722.6 h24 r270; Top Overlay "VDD" at 4711.42,1821.02 h24 r270; Top Overlay "D10" at 4711.42,2219.65 h24 r270; Top Overlay "D0" at 4711.42,2701.93 h24 r270; Top Overlay "RD" at 4711.42,2805.28 h24 r270; Top Overlay "GND" at 4711.42,1919.45 h24 r270; Top Overlay "GND" at 4460,1625 h24 r270; Top Overlay "D11" at 4460,2115 h24 r270; Top Overlay "PEN" at 4460,1420 h24 r270; Top Overlay "CLK" at 4711.42,1323.98 h24 r270; Top Overlay "MOSI" at 4711.42,1530.67 h24 r270; Top Overlay "MO" at 4711.42,1402.72 h24 r270; Top Overlay "TCS" at 4460,1320 h24 r270; Top Overlay "MISO" at 4460,1535 h24 r270; Top Overlay "BL" at 4460,1800 h24 r270; Bottom Overlay "CS" at 4410,2920 h24 r90; Bottom Overlay "RS" at 4485,2915 h24 r90; Bottom Overlay "RD" at 4485,2810 h24 r90; Bottom Overlay "WR" at 4410,2810 h24 r90; Bottom Overlay "D0" at 4485,2710 h24 r90; Bottom Overlay "RST" at 4410,2725 h24 r90; Bottom Overlay "D1" at 4410,2605 h24 r90; Bottom Overlay "D2" at 4485,2610 h24 r90; Bottom Overlay "D3" at 4410,2510 h24 r90; Bottom Overlay "D4" at 4485,2510 h24 r90; Bottom Overlay "D5" at 4410,2405 h24 r90; Bottom Overlay "D6" at 4485,2405 h24 r90; Bottom Overlay "D7" at 4410,2310 h24 r90; Bottom Overlay "D8" at 4485,2310 h24 r90; Bottom Overlay "D9" at 4410,2215 h24 r90; Bottom Overlay "D10" at 4485,2225 h24 r90; Bottom Overlay "D11" at 4410,2125 h24 r90; Bottom Overlay "D12" at 4485,2125 h24 r90; Bottom Overlay "D13" at 4410,2025 h24 r90; Bottom Overlay "D14" at 4485,2020 h24 r90; Bottom Overlay "D15" at 4410,1920 h24 r90; Bottom Overlay "GND" at 4485,1920 h24 r90; Bottom Overlay "BL" at 4410,1810 h24 r90; Bottom Overlay "VDD" at 4485,1815 h24 r90; Bottom Overlay "VDD" at 4410,1735 h24 r90; Bottom Overlay "GND" at 4485,1710 h24 r90; Bottom Overlay "GND" at 4410,1630 h24 r90; Bottom Overlay "V5" at 4485,1600 h24 r90; Bottom Overlay "MI" at 4410,1505 h24 r90; Bottom Overlay "MO" at 4485,1510 h24 r90; Bottom Overlay "PEN" at 4410,1435 h24 r90; Bottom Overlay "NC" at 4485,1410 h24 r90; Bottom Overlay "TCS" at 4410,1325 h24 r90; Bottom Overlay "CLK" at 4485,1325 h24 r90
P4: Top Overlay "1" at 3561,2760 h24; Top Overlay "2" at 3552,2896 h24; Top Overlay "4" at 3818,2771 h24; Top Overlay "3" at 3792,2748 h24
TF_CARD: Bottom Overlay "Cd" at 2821,2711 h24 r270; Bottom Overlay "8" at 2874,2733 h24 r180; Bottom Overlay "7" at 2918,2734 h24 r180; Bottom Overlay "6" at 2960,2734 h24 r180; Bottom Overlay "5" at 3002,2734 h24 r180; Bottom Overlay "4" at 3044,2735 h24 r180; Bottom Overlay "3" at 3091,2735 h24 r180; Bottom Overlay "2" at 3133,2735 h24 r180; Bottom Overlay "1" at 3176,2736 h24 r180
U12: Top Overlay "1" at 1754.03,1352.94 h24; Top Overlay "3" at 1934.03,1352.94 h24